# Altium PCB Science-Rev1.PcbDoc
Units mil, origin at the board's own origin, x right, y up, seen from the top; angles counter-clockwise.
Board outline 3937.01 x 3937.01 mil, 2 copper layers (Top Layer, Bottom Layer); 97 components, 55 nets, 316 pads, 123 vias.
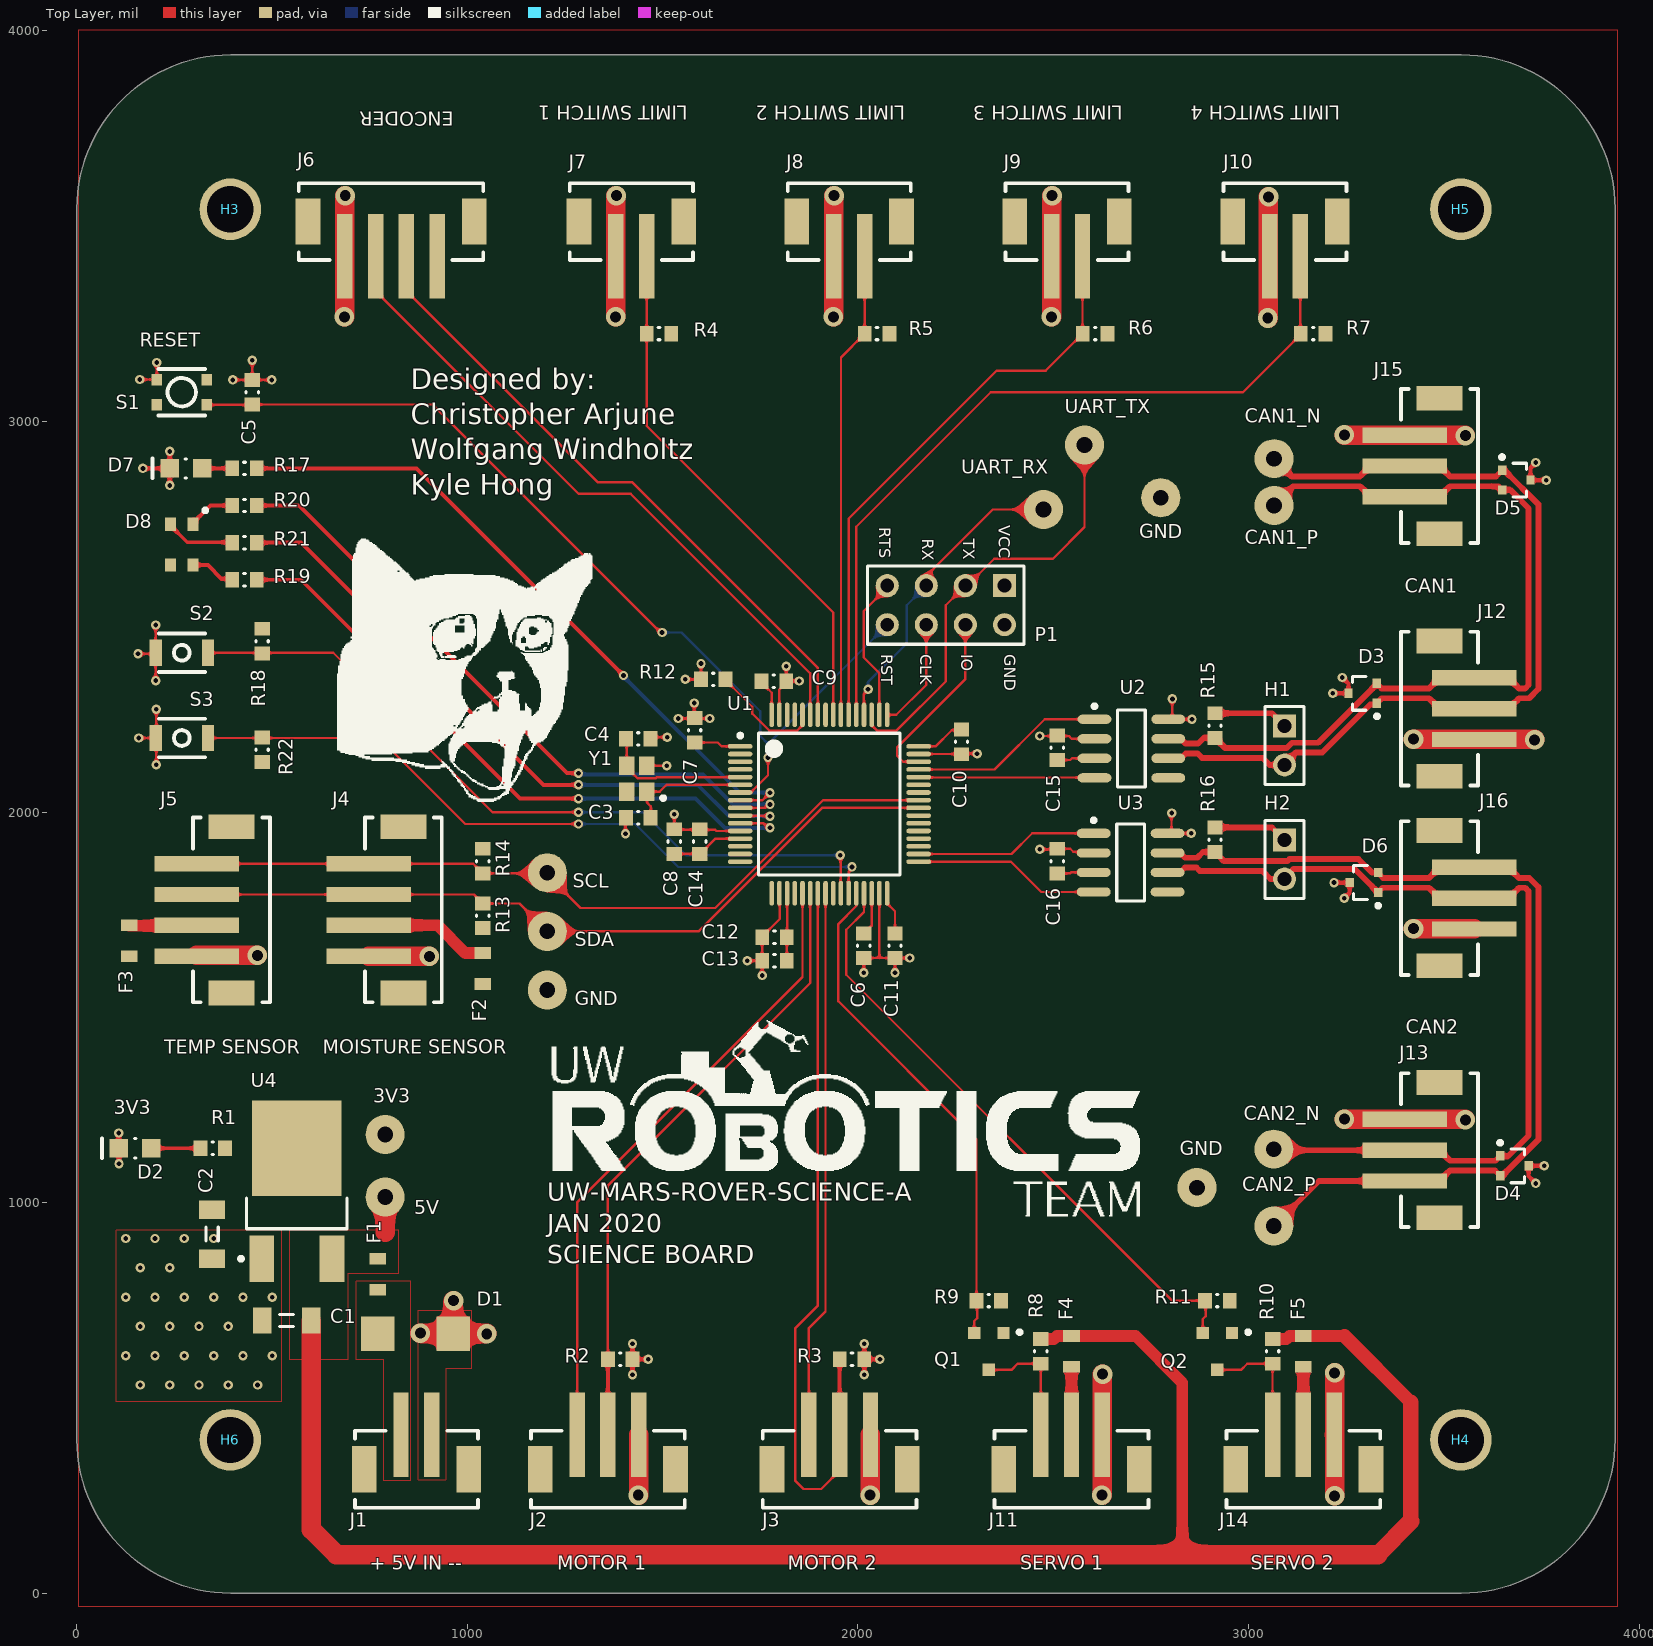
[diagram p0: Top Layer view]
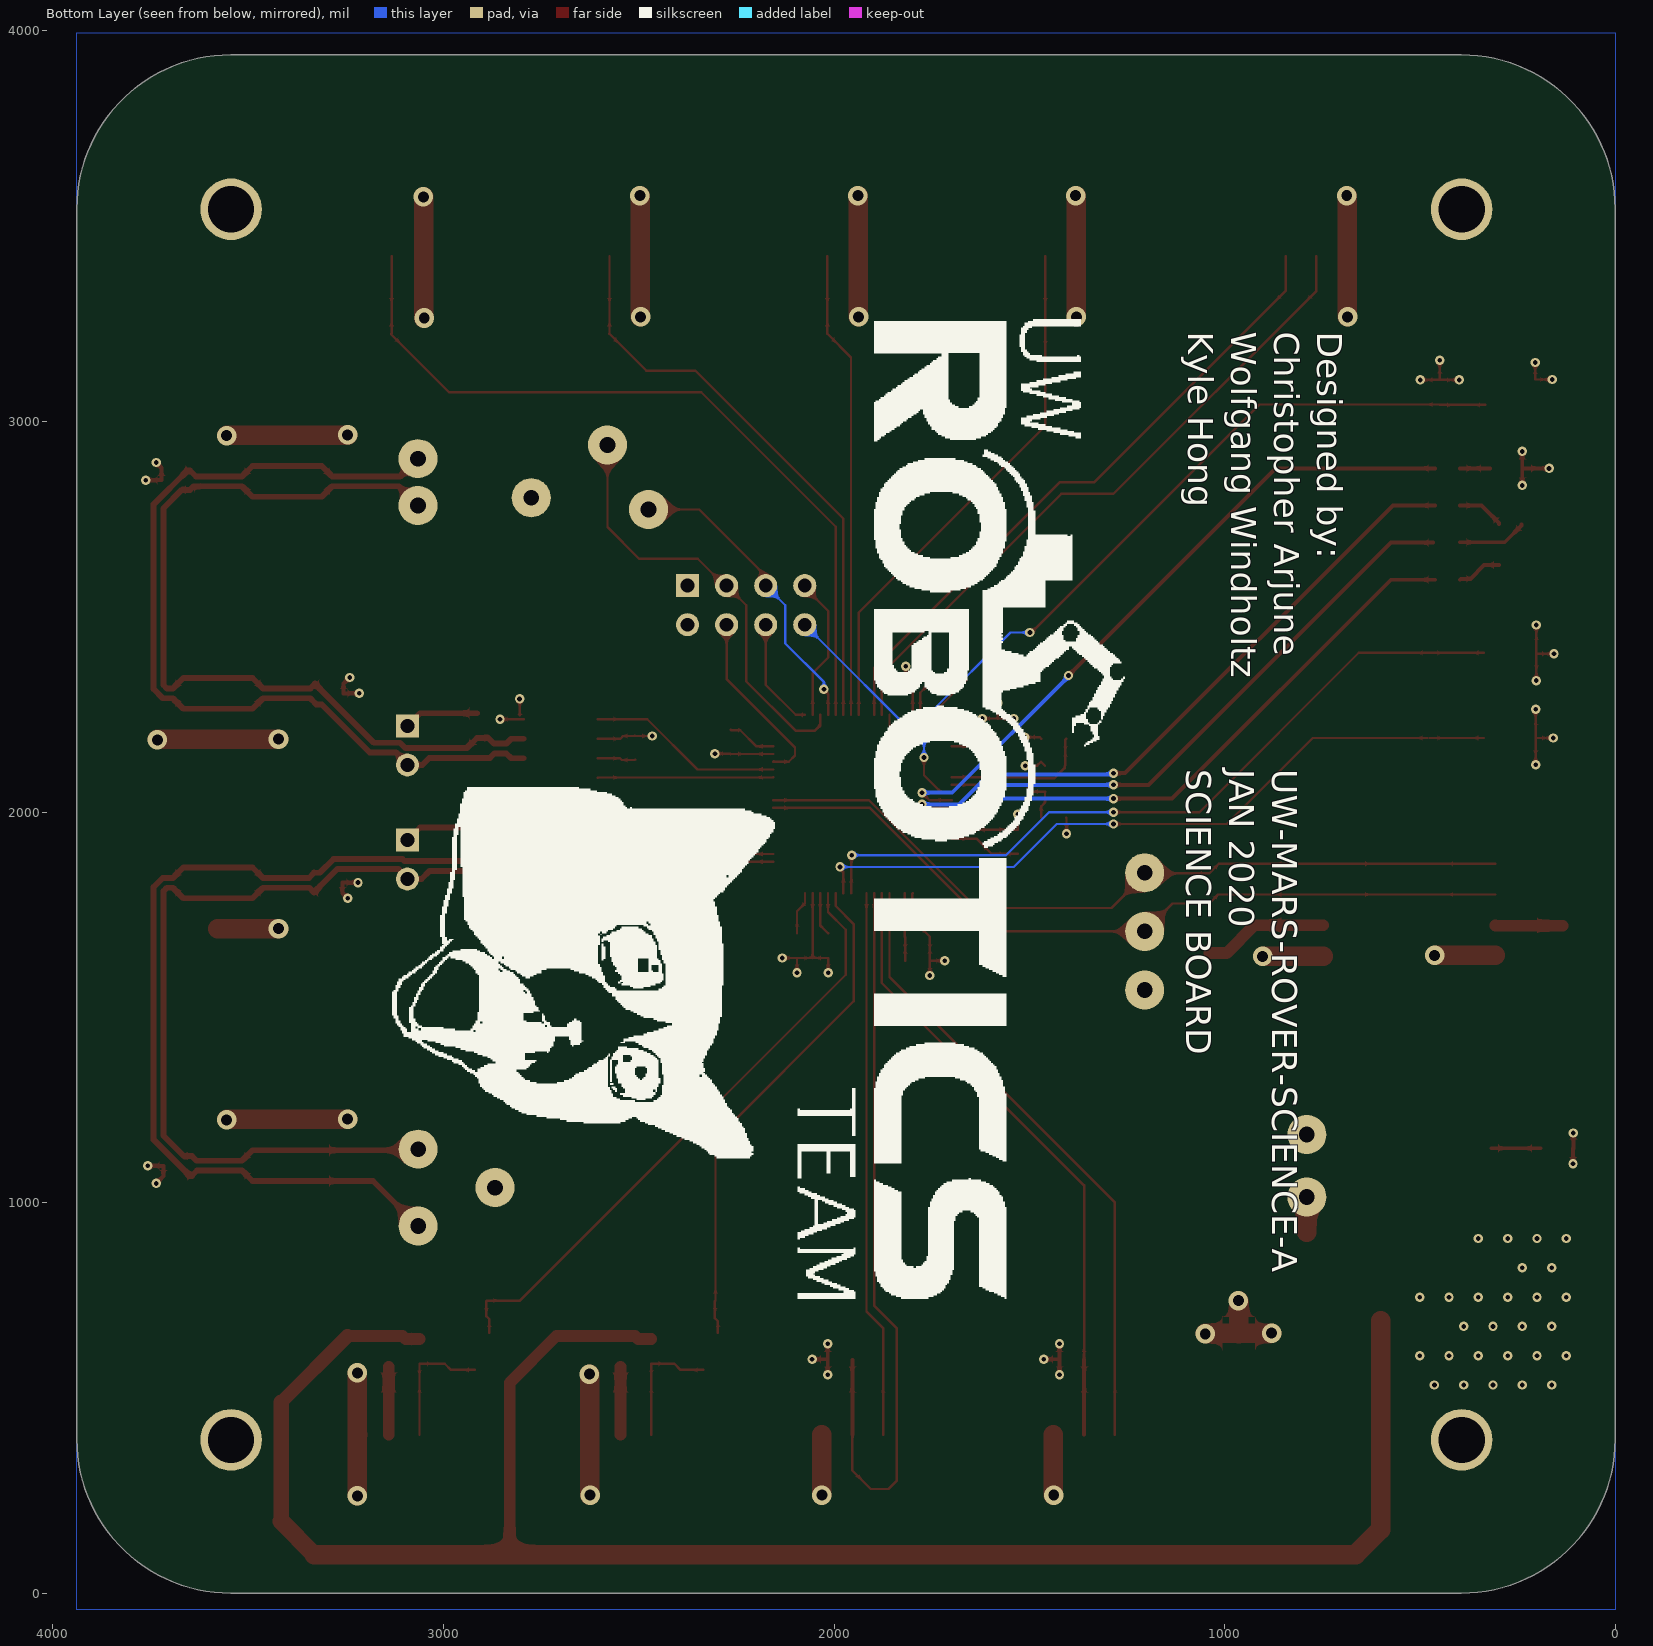
[diagram p1: Bottom Layer view, seen from below]

## Layer stack, top to bottom
Top Solder: solder mask 0.4, Solder Resist, Dk 3.5
Top Layer: signal copper 1.4
Dielectric 1: dielectric 12.6, FR-4, Dk 4.8
Bottom Layer: signal copper 1.4
Bottom Solder: solder mask 0.4, Solder Resist, Dk 3.5

## Board outline
1,395.09 ccw(c394.7,395.09) 394.7,1.39 3544.31,1.39 ccw(c3544.31,395.09) 3938.01,395.09 3938.01,3544.7 ccw(c3544.31,3544.7) 3544.31,3938.4 394.7,3938.4 ccw(c394.7,3544.7) 1,3544.7

## Design rules (kind name [scope] priority, off if disabled: settings)
BoardOutlineClearance [All] p1: gap=20 ignorepadtopadclearanceinfootprint=FALSE
Clearance [All] p1: gap=6 ignorepadtopadclearanceinfootprint=TRUE
DiffPairsRouting [All] p1: maxlimit=10 minlimit=10 mostfreqgap=10 toplayer_minwidth=15 toplayer_maxwidth=15 toplayer_prefwidth=15 bottomlayer_minwidth=15 bottomlayer_maxwidth=15 bottomlayer_prefwidth=15 maxuncoupledlength=500
HoleSize [All] p1: absolutevalues=TRUE maxlimit=120 minlimit=1 maxpercent=80.000 minpercent=20.000
MinimumAnnularRing [All] p1: minimumring=6
MinimumSolderMaskSliver [All] p1: minsoldermaskwidth=6
PolygonConnect "Voltage Regulator Thermal Relief" [InComponent('VR1')] p1: connectstyle=Relief reliefconductorwidth=50 reliefentries=4 polygonreliefangle="90 Angle" airgapwidth=10
PolygonConnect "3V3 Thermal Relief" [InNet('+3V3')] p2: connectstyle=Relief reliefconductorwidth=10 reliefentries=4 polygonreliefangle="90 Angle" airgapwidth=10
PolygonConnect [All] p3: connectstyle=Direct reliefconductorwidth=10 reliefentries=4 polygonreliefangle="90 Angle" airgapwidth=10
RoutingVias [All] p1: holewidth=12 width=24 viastyle="Through Hole" minholewidth=12 minwidth=24 maxholewidth=28 maxwidth=50
SilkToSolderMaskClearance [IsPad] p1: minsilkscreentomaskgap=6 clearancetoexposedcopper=TRUE
SolderMaskExpansion [All] p1: expansion=4 istentingtop=FALSE
Width [All] p1: maxlimit=50 minlimit=6 preferedwidth=6 minimp=50.000000 maximp=50.000000 favimp=50.000000
26 further rules are at their usual default settings.

## Classes and differential pairs
component class Support: D7 D8 H3 H4 H5 H6 R17 R18 R19 R20 R21 R22 S2 S3
component class POWER: 3V3 5V C1 C2 D1 D2 F1 GND J1 R1 U4
component class MCU: C3 C4 C5 C6 C7 C8 C9 C10 C11 C12 C13 C14 P1 R12 R13 R14 S1 SCL SDA U1 UART_RX UART_TX Y1
component class Connectors: D3 D4 D5 D6 F2 F3 F4 F5 J2 J3 J4 J5 J6 J7 J8 J9 J10 J11 J12 J13 J14 J15 J16 Q1 Q2 R2 R3 R4 R5 R6 R7 R8 R9 R10 R11
component class CAN: C15 C16 CAN1_N CAN1_P CAN2_N CAN2_P GND H1 H2 R15 R16 U2 U3
differential pair CAN2: +CAN2_P -CAN2_N
differential pair CAN1: +CAN1_P -CAN1_N

## Components (designator, comment, footprint, x,y, rotation, side; value= is the part's Value field where it differs from the comment)
3V3 "TESTPOINT_LOOP" TESTPOINT_LOOP 790,1175 r90 top
5V "TESTPOINT_LOOP" TESTPOINT_LOOP 790,1015 r90 top
C1 "10uF" CAPC1206(3216) 537.99,699 r180 top
C2 "10uF" CAPC1206(3216) 347,919.99 r270 top
C3 "CAP_14pF_50V_0603" CAPC0603(1608)55_N 1437.71,1985.69 r0 top value=14pF
C4 "CAP_14pF_50V_0603" CAPC0603(1608)55_N 1437.71,2187.69 r180 top value=14pF
C5 "CAP_0.1uF_16V_0603" CAPC0603(1608)55_N 450,3075 r270 top value=0.1uF
C6 "CAP_4.7uF_0603" CAPC0603(1608)55_N 2015,1658.5 r90 top value=4.7uF
C7 "CAP_0.1uF_16V_0603" CAPC0603(1608)55_N 1582,2210 r270 top value=0.1uF
C8 "CAP_1uF_16V_0603" CAPC0603(1608)55_N 1530,1925 r270 top value=1uF
C9 "CAP_0.1uF_16V_0603" CAPC0603(1608)55_N 1785,2335 r180 top value=0.1uF
C10 "CAP_0.1uF_16V_0603" CAPC0603(1608)55_N 2265,2180 r90 top value=0.1uF
C11 "CAP_0.1uF_16V_0603" CAPC0603(1608)55_N 2095,1658.5 r90 top value=0.1uF
C12 "CAP_0.1uF_16V_0603" CAPC0603(1608)55_N 1786.5,1680 r0 top value=0.1uF
C13 "CAP_4.7uF_0603" CAPC0603(1608)55_N 1786.5,1620 r0 top value=4.7uF
C14 "CAP_10nF_0603" CAPC0603(1608)55_N 1595,1925 r270 top value=10nF
C15 "CAP_0.1uF_16V_0603" CAPC0603(1608)55_N 2510,2165 r270 top value=0.1uF
C16 "CAP_0.1uF_16V_0603" CAPC0603(1608)55_N 2510,1875 r270 top value=0.1uF
CAN1_N "TESTPOINT_LOOP" TESTPOINT_LOOP 3065,2905 r180 top
CAN1_P "TESTPOINT_LOOP" TESTPOINT_LOOP 3065,2785 r180 top
CAN2_N "TESTPOINT_LOOP" TESTPOINT_LOOP 3064.61,1137.68 r180 top
CAN2_P "TESTPOINT_LOOP" TESTPOINT_LOOP 3064.61,940.83 r180 top (schematic designator CAN2_A)
D1 "TVS_DIODE_BIDIRECTIONAL" TVS_DIODE_BIDIRECTIONAL 867.54,665 r0 top
D2 "DIO_LED_G" LED_0805_LINE 150,1140 r180 top
D3 "TVS_DIODE_CAN" NXP-SOT323-3 3292,2304.41 r180 top
D4 "TVS_DIODE_CAN" NXP-SOT323-3 3680,1095 r0 top
D5 "TVS_DIODE_CAN" NXP-SOT323-3 3685,2850 r0 top
D6 "TVS_DIODE_CAN" NXP-SOT323-3 3295,1820 r180 top
D7 "DIO_LED_Y" LED_0805_LINE 280,2880 r180 top
D8 "LED_RGB" LED_RGB 269.48,2685 r180 top
F1 "FUSE_2A_0603" FUSE_0603 771,817.43 r90 top
F2 "FUSE_250mA_0603" FUSE_0603 1040,1600 r90 top
F3 "FUSE_250mA_0603" FUSE_0603 135,1671.06 r90 top
F4 "FUSE_1.5A_0603" FUSE_0603 2546.67,620 r270 top
F5 "FUSE_1.5A_0603" FUSE_0603 3140,620 r270 top
GND "TESTPOINT_LOOP" TESTPOINT_LOOP 1205,1545 r270 top (schematic designator GND3)
GND "TESTPOINT_LOOP" TESTPOINT_LOOP 2775,2805 r180 top (schematic designator GND2)
GND "TESTPOINT_LOOP" TESTPOINT_LOOP 2867.76,1039.25 r180 top (schematic designator GND1)
H1 "JUMPER_2" HDR1X2 3092,2220.97 r270 top
H2 "JUMPER_2" HDR1X2 3092,1928.97 r270 top
H3 "MOUNTING_HOLES" MOUNTING_HOLE 393.7,3543.31 r0 top
H4 "MOUNTING_HOLES" MOUNTING_HOLE 3543.31,393.7 r0 top
H5 "MOUNTING_HOLES" MOUNTING_HOLE 3543.31,3543.31 r0 top
H6 "MOUNTING_HOLES" MOUNTING_HOLE 393.7,393.7 r0 top
J1 "CON_2M_SM4" JST-B2B-SM4-TB 870,220 r0 top
J2 "CON_3M_SM4" JST-B3B-SM4-TB 1360,220 r0 top
J3 "CON_3M_SM4" JST-B3B-SM4-TB 1953.33,220 r0 top
J4 "Moisture Sensor" JST-B4B-SM4-TB 935,1750 r90 top
J5 "Temp Sensor" JST-B4B-SM4-TB 495,1750 r90 top
J6 "CON_4M_SM4" JST-B4B-SM4-TB 805,3610 r180 top
J7 "CON_2M_SM4" JST-B2B-SM4-TB 1420,3610 r180 top
J8 "CON_2M_SM4" JST-B2B-SM4-TB 1977.71,3610 r180 top
J9 "CON_2M_SM4" JST-B2B-SM4-TB 2535.41,3610 r180 top
J10 "CON_2M_SM4" JST-B2B-SM4-TB 3093.12,3610 r180 top
J11 "CON_3M_SM4" JST-B3B-SM4-TB 2546.67,220 r0 top
J12 "CON_3M_SM4" JST-B3B-SM4-TB 3390,2265 r270 top
J13 "CON_3M_SM4" JST-B3B-SM4-TB 3587.01,1135 r90 top
J14 "CON_3M_SM4" JST-B3B-SM4-TB 3140,220 r0 top
J15 "CON_3M_SM4" JST-B3B-SM4-TB 3587.01,2886.26 r90 top
J16 "CON_3M_SM4" JST-B3B-SM4-TB 3390,1780 r270 top
P1 "HEADER 4X2" HEADER_2X4 2375,2580 r180 top
Q1 "NMOS_20V_6A" NMOS_SOT23-3 2335,620 r180 top
Q2 "NMOS_20V_6A" NMOS_SOT23-3 2920,620 r180 top
R1 "RES_120R_0603" RESC0603(1608)_N 348.5,1140 r0 top value=120R
R2 "RES_4K7_0603" RESC0603(1608)_N 1391.5,600 r0 top value=4K7
R3 "RES_4K7_0603" RESC0603(1608)_N 1984.83,600 r0 top value=4K7
R4 "RES_4K7_0603" RESC0603(1608)_N 1490.87,3225 r0 top value=4K7
R5 "RES_4K7_0603" RESC0603(1608)_N 2048.91,3225 r0 top value=4K7
R6 "RES_4K7_0603" RESC0603(1608)_N 2606.96,3225 r0 top value=4K7
R7 "RES_4K7_0603" RESC0603(1608)_N 3165,3225 r0 top value=4K7
R8 "RES_4K7_0603" RESC0603(1608)_N 2467.93,620 r90 top value=4K7
R9 "RES_4K7_0603" RESC0603(1608)_N 2335,750 r0 top value=4K7
R10 "RES_4K7_0603" RESC0603(1608)_N 3061.26,620 r90 top value=4K7
R11 "RES_4K7_0603" RESC0603(1608)_N 2920,750 r0 top value=4K7
R12 "RES_4K7_0603" RESC0603(1608)_N 1630,2340 r0 top value=4K7
R13 "RES_4K7_0603" RESC0603(1608)_N 1040,1735 r270 top value=4K7
R14 "RES_4K7_0603" RESC0603(1608)_N 1040,1875 r90 top value=4K7
R15 "RES_120R_0603" RESC0603(1608)_N 2914,2221.7 r90 top value=120R
R16 "RES_120R_0603" RESC0603(1608)_N 2914,1929.7 r90 top value=120R
R17 "RES_120R_0603" RESC0603(1608)_N 430,2880 r180 top value=120R
R18 "RES_4K7_0603" RESC0603(1608)_N 475,2438.02 r270 top value=4K7
R19 "RES_20R_0603" RESC0603(1608)_N 430,2595 r0 top value=20R
R20 "RES_120R_0603" RESC0603(1608)_N 430,2785 r180 top value=120R
R21 "RES_20R_0603" RESC0603(1608)_N 430,2690 r0 top value=20R
R22 "RES_4K7_0603" RESC0603(1608)_N 475,2160 r270 top value=4K7
S1 "SW_PWR" PTS830GM140 269.48,3075 r0 top
S2 "SW_TACTILE" B3U-1100P 269.48,2408.02 r180 top
S3 "SW_TACTILE" B3U-1100P 269.48,2190 r180 top
SCL "TESTPOINT_LOOP" TESTPOINT_LOOP 1205,1845 r90 top (schematic designator I2)
SDA "TESTPOINT_LOOP" TESTPOINT_LOOP 1205,1695 r90 top (schematic designator I1)
U1 "STM32F446RET6" STM-LQFP64_L 1927,2021 r0 top
U2 "IC TXRX CAN" LT-S8_N 2700,2163 r0 top
U3 "IC TXRX CAN" LT-S8_N 2698,1871 r0 top
U4 "5V0_3V3_LDO" VOLTAGE_REGULATOR 564,967.17 r0 top
UART_RX "TESTPOINT_LOOP" TESTPOINT_LOOP 2475,2775 r90 top
UART_TX "TESTPOINT_LOOP" TESTPOINT_LOOP 2580,2940 r90 top
Y1 "CRYSTAL_25MHZ" AVX-CX2520DB32000D0GEJZ1-4_V 1434.41,2085.52 r180 top

## Footprints (in the part's own frame and the unit in brackets; to place one, negate y for a bottom-side part, rotate by r counter-clockwise, add the part's x,y. Pads: shape width x height; smd on the part's side, far side on the other; paste and mask are expansions set on the pad)
AVX-CX2520DB32000D0GEJZ1-4_V [mm] "Hand Drawn, 4-Leads,Body 2.5x2mm"
  rect 1x1.2 smd: 1(-0.65,0.85) 2(-0.65,-0.85) 3(0.65,-0.85) 4(0.65,0.85)
  silkscreen extent -1.83,1.13 -1.58,1.38, body extent -1,-1.25 1,1.25, height 0.55
B3U-1100P [mm] "TACTILE SWITCH GREY"
  rect 0.8x1.7 smd: 1(-1.7,0) 2(1.7,0)
  silkscreen extent -1.5,-1.25 1.5,1.25, body extent -2,-1.25 2,1.25, height 1.6
CAPC0603(1608)55_N [mm] "Chip Capacitor, Body 1.6x0.8mm, Height 0.55mm, IPC Medium Density"
  rect 0.9x1 smd: 1(-0.8,0) 2(0.8,0)
  silkscreen extent -0.05,-0.4 0.05,0.4, body extent -0.87,-0.48 0.88,0.47, height 0.55
CAPC1206(3216) [mm] "Chip Capacitor, Body 3.2x1.6mm, Height 0.55mm, IPC Medium Density"
  rect 1.2x1.7 smd: 1(-1.6,0) 2(1.6,0)
  silkscreen extent -0.45,-0.4 0.45,0.4, body extent -1.6,-0.85 1.6,0.85, height 1.75
FUSE_0603 [mm] "Chip Fuse, Body 1.6x0.81mm"
  rect 0.762x1.09 smd: 1(-1.005,0) 2(1.005,0)
  body extent -0.8,-0.38 0.8,0.38, height 0.75
HDR1X2 [mm] "Connector; Header; 2 Position"
  rect 1.5x1.5 hole 0.9: 1(0,0)
  round 1.5 hole 0.9: 2(2.54,0)
  silkscreen extent -1.27,-1.27 3.81,1.27, body extent -1.27,-1.27 3.81,1.27, height 6.35
HEADER_2X4 [mm]
  rect 1.5x1.5 hole 0.9: 1(0,0)
  round 1.5 hole 0.9: 2(2.54,0) 3(5.08,0) 4(7.62,0) 5(0,2.54) 6(2.54,2.54) 7(5.08,2.54) 8(7.62,2.54)
  silkscreen extent -1.27,-1.27 8.89,3.81, body extent -1.36,-1.32 8.8,3.67, height 8.54
JST-B2B-SM4-TB [mm]
  rect 1x5.5 smd: 1(-1,4.75) 2(1,4.75)
  rect 1.6x3 smd: 3(-3.4,2.5) 4(3.4,2.5)
  silkscreen extent -4,0 4,5, body extent -3.97,0 3.97,7, height 6.6
JST-B3B-SM4-TB [mm]
  rect 1x5.5 smd: 1(-2,4.75) 2(0,4.75) 3(2,4.75)
  rect 1.6x3 smd: 4(-4.4,2.5) 5(4.4,2.5)
  silkscreen extent -5,0 5,5, body extent -4.97,0 4.97,7, height 6.6
JST-B4B-SM4-TB [mm]
  rect 1x5.5 smd: 1(-3,4.75) 2(-1,4.75) 3(1,4.75) 4(3,4.75)
  rect 1.6x3 smd: 5(-5.4,2.5) 6(5.4,2.5)
  silkscreen extent -6,0 6,5, body extent -5.98,0 5.98,7, height 6.6
LED_0805_LINE [mm] "SMD, 2-Leads, Body 2x1.25mm"
  rect 1.2x1.2 smd: 1(-1.05,0) 2(1.05,0)
  silkscreen extent -0.05,-0.63 2.16,0.64, body extent -1,-0.63 1,0.63, height 0.8
LED_RGB [mm]
  rect 0.7x0.86 smd: 1(-0.737,-1.325) 2(0.738,-1.325) 3(-0.737,1.325) 4(0.738,1.325)
  silkscreen extent -1.65,-2.35 -1.4,-2.1, body extent -1.4,-1.75 1.4,1.75, height 1.89
LT-S8_N [mm] "SOP, 8-Leads, Body 4.9x3.9mm, Pitch 1.27mm, IPC Medium Density"
  oval 2.2x0.6 smd: 1(-2.4,1.905) 2(-2.4,0.635) 3(-2.4,-0.635) 4(-2.4,-1.905) 5(2.4,-1.905) 6(2.4,-0.635) 7(2.4,0.635) 8(2.4,1.905)
  silkscreen extent -2.52,-2.5 0.9,2.88, body extent -2,-2.5 2,2.5, height 1.76